# KiCad board mega_led_mapper_shield.kicad_pcb
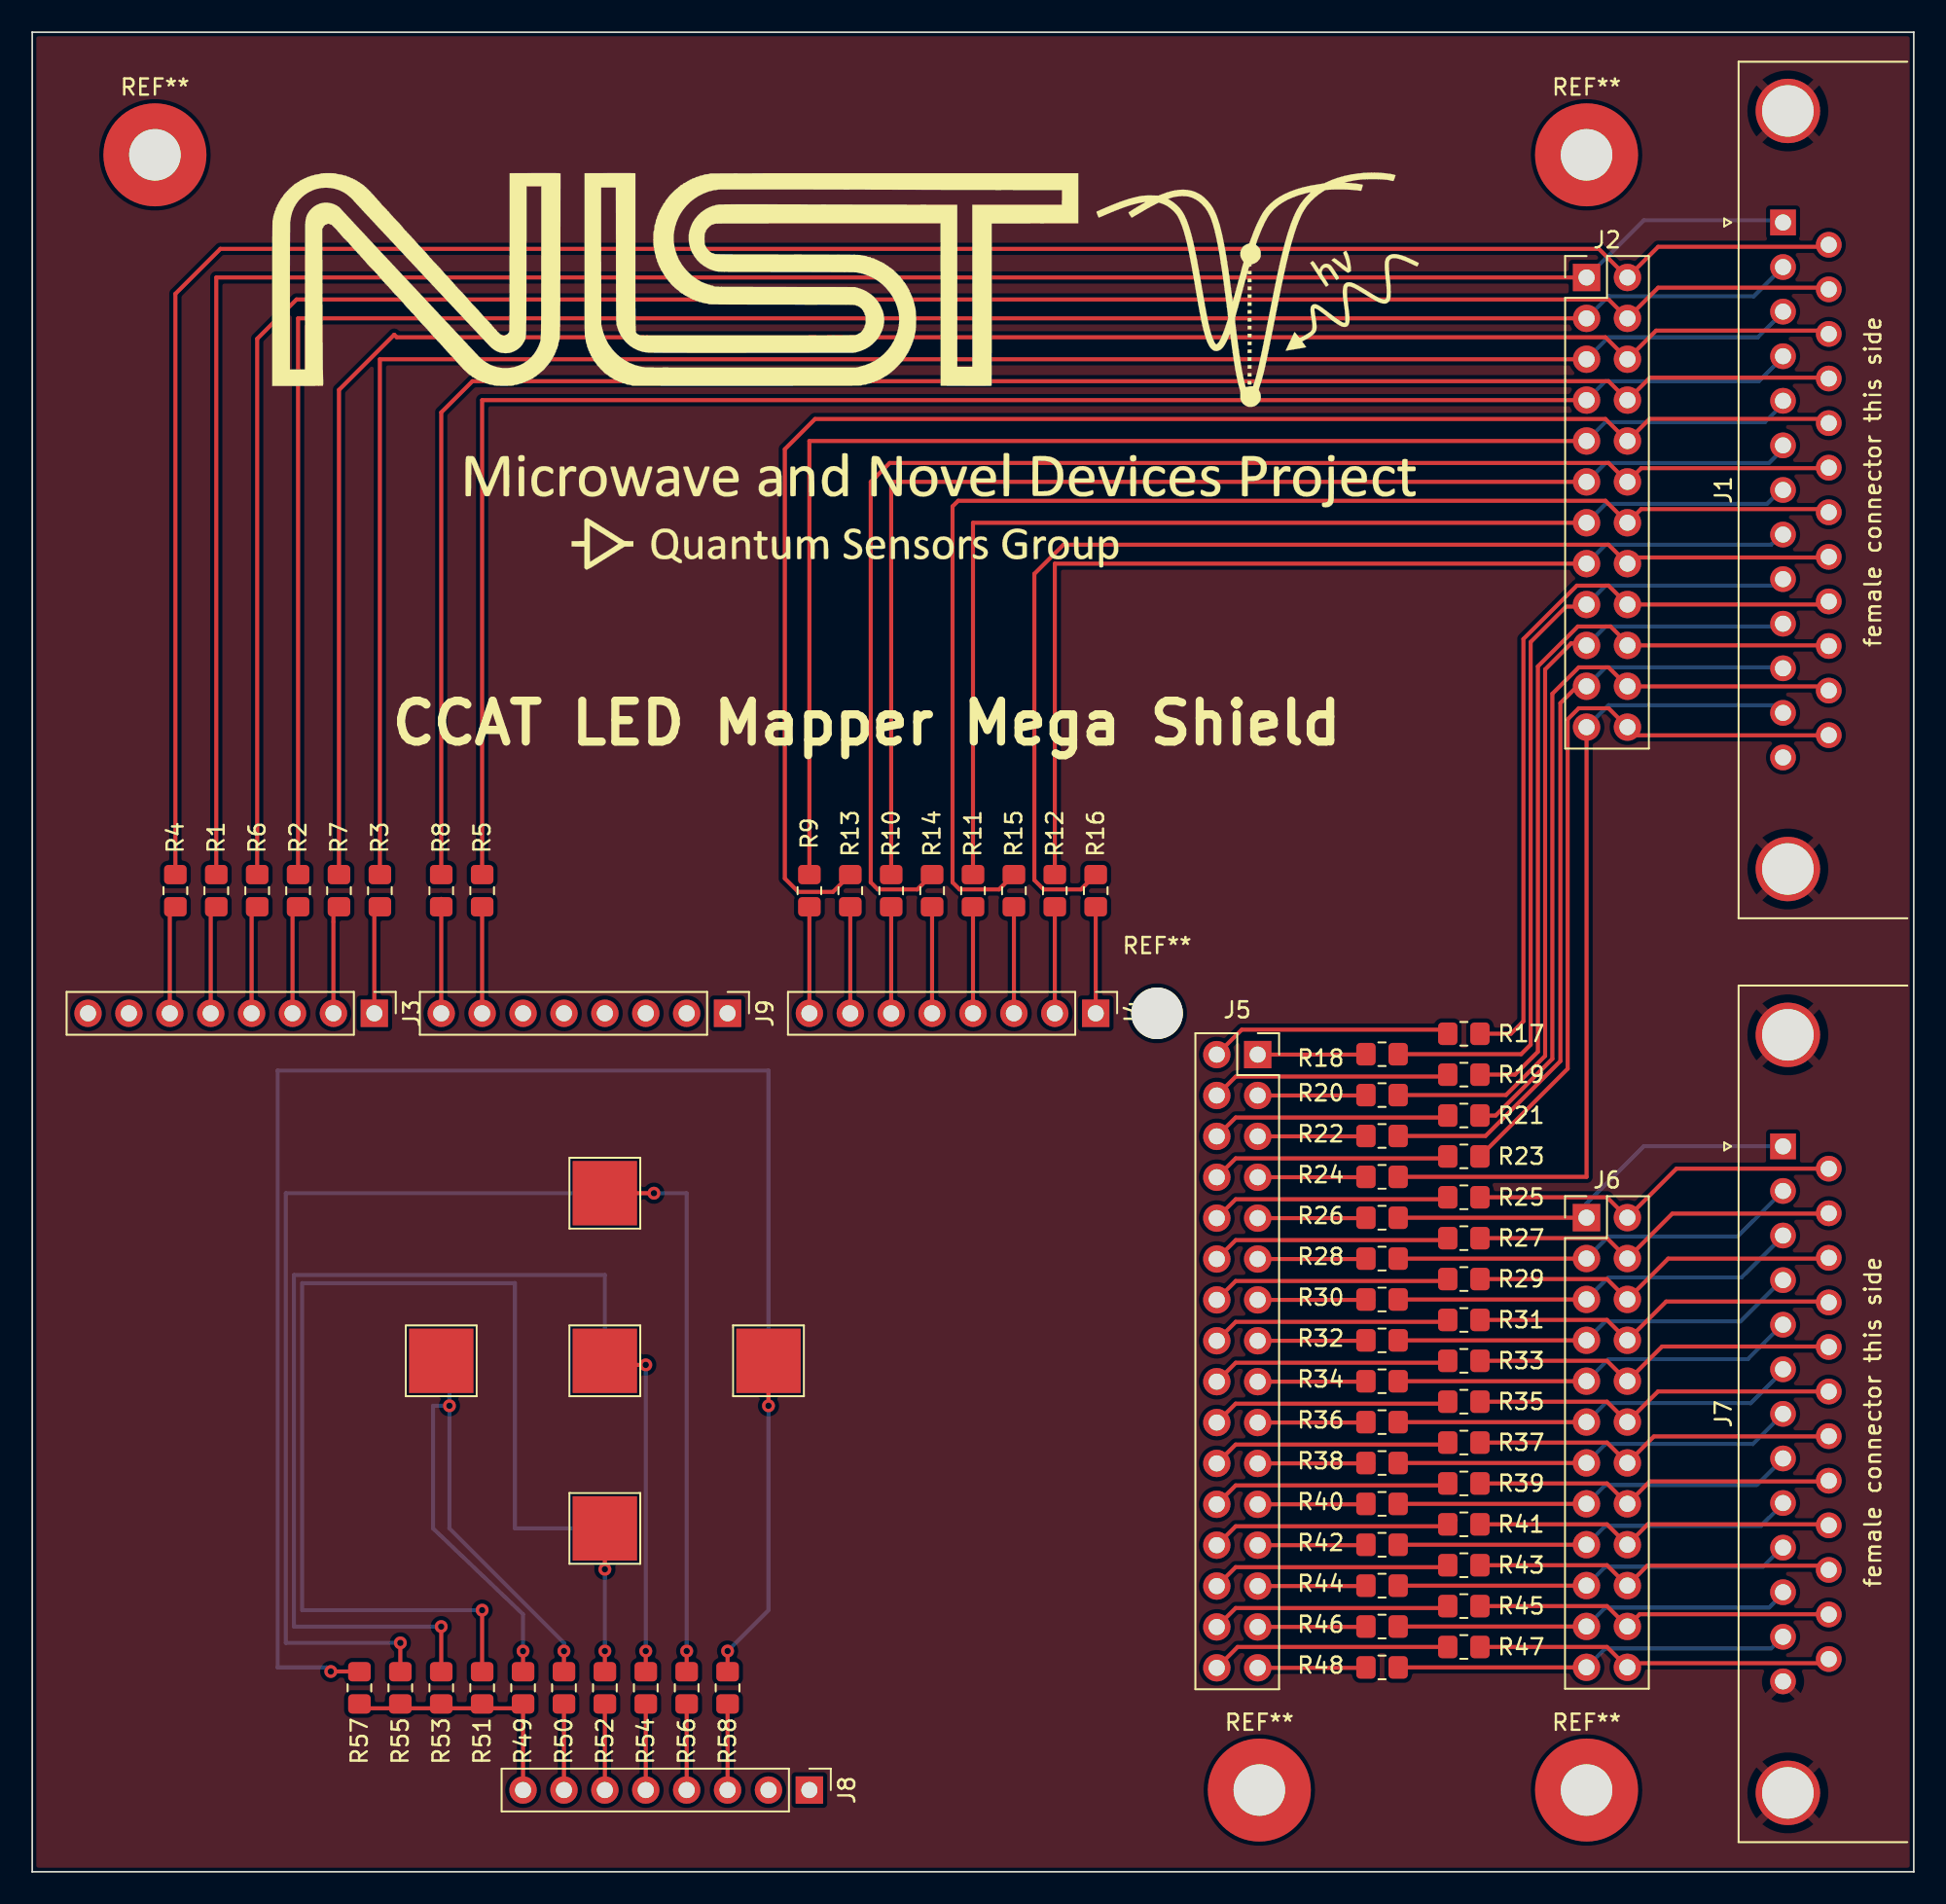
[diagram p0: board, top side]
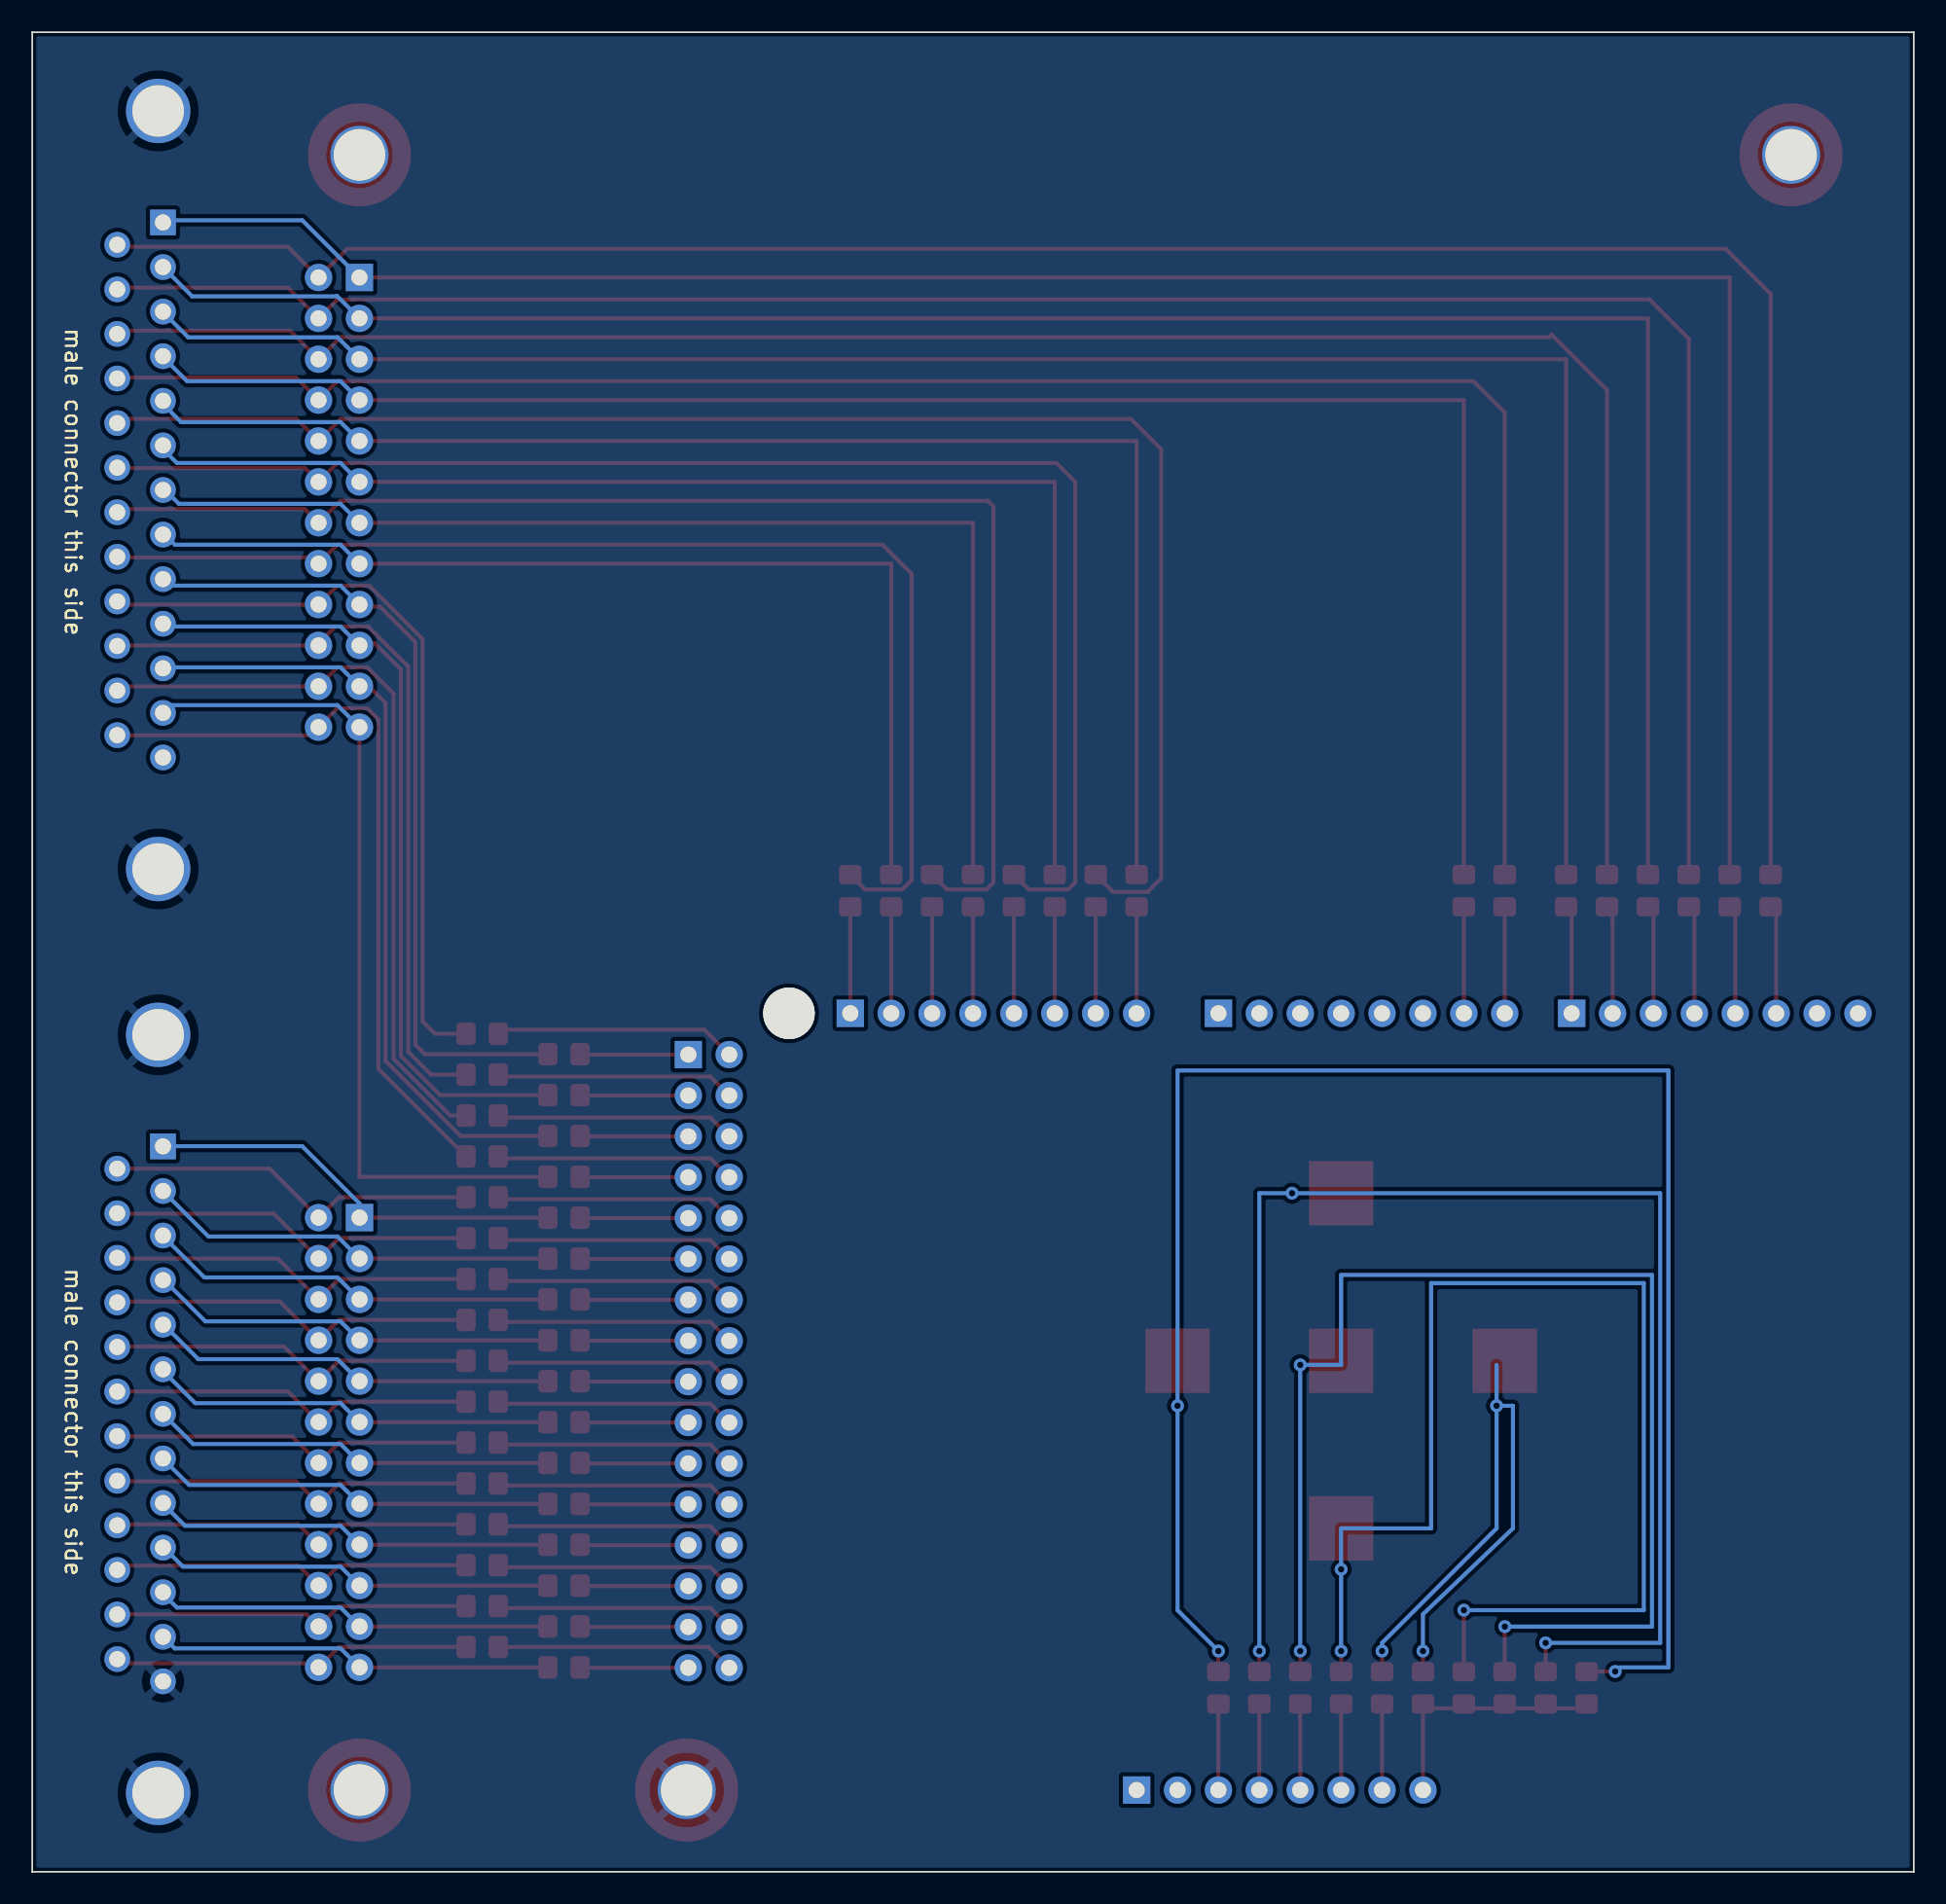
[diagram p1: board, bottom side, seen from below]

Outline 116.84 x 114.3 mm; copper layers: Top, Bottom. Coordinates in mm from the lower left corner of the outline.
Outline path: 0,114.3 116.84,114.3 116.84,0 0,0 0,114.3
Stack: Top 0.035mm / dielectric 1.51mm FR4 er 4.5 / Bottom 0.035mm

## Placement (name value [footprint] x y rotation side)
G***  LOGO  [logo_v3_76]  49.78 94.23 0 top
J1  DB25_Female_MountingHoles  [DSUB-25_Female_Horizontal_P2.77x2.84mm_EdgePinOffset4.94mm_Housed_MountingHolesOffset7.48mm]  108.72 102.48 90 top
J2  Conn_02x12_Odd_Even  [PinHeader_2x12_P2.54mm_Vertical]  96.52 99.06 0 top
J3  Conn_01x08_Female  [PinHeader_1x08_P2.54mm_Vertical]  21.24 53.34 270 top
J4  Conn_01x08_Female  [PinHeader_1x08_P2.54mm_Vertical]  66.04 53.34 270 top
J5  Conn_02x16_Odd_Even  [PinSocket_2x16_P2.54mm_Vertical]  76.1 50.77 0 top
J6  Conn_02x12_Odd_Even  [PinHeader_2x12_P2.54mm_Vertical]  96.52 40.64 0 top
J7  DB25_Female_MountingHoles  [DSUB-25_Female_Horizontal_P2.77x2.84mm_EdgePinOffset4.94mm_Housed_MountingHolesOffset7.48mm]  108.72 45.07 90 top
J8  Conn_01x08_Female  [PinHeader_1x08_P2.54mm_Vertical]  48.26 5.08 270 top
J9  Conn_01x08_Female  [PinHeader_1x08_P2.54mm_Vertical]  43.18 53.34 270 top
R1  R_Small_US  [R_0805_2012Metric_Pad1.20x1.40mm_HandSolder]  11.43 60.96 90 top
R2  R_Small_US  [R_0805_2012Metric_Pad1.20x1.40mm_HandSolder]  16.51 60.96 90 top
R3  R_Small_US  [R_0805_2012Metric_Pad1.20x1.40mm_HandSolder]  21.59 60.96 90 top
R4  R_Small_US  [R_0805_2012Metric_Pad1.20x1.40mm_HandSolder]  8.89 60.96 90 top
R5  R_Small_US  [R_0805_2012Metric_Pad1.20x1.40mm_HandSolder]  27.94 60.96 90 top
R6  R_Small_US  [R_0805_2012Metric_Pad1.20x1.40mm_HandSolder]  13.97 60.96 90 top
R7  R_Small_US  [R_0805_2012Metric_Pad1.20x1.40mm_HandSolder]  19.05 60.96 90 top
R8  R_Small_US  [R_0805_2012Metric_Pad1.20x1.40mm_HandSolder]  25.4 60.96 90 top
R9  R_Small_US  [R_0805_2012Metric_Pad1.20x1.40mm_HandSolder]  48.26 60.96 90 top
R10  R_Small_US  [R_0805_2012Metric_Pad1.20x1.40mm_HandSolder]  53.34 60.96 90 top
R11  R_Small_US  [R_0805_2012Metric_Pad1.20x1.40mm_HandSolder]  58.42 60.96 90 top
R12  R_Small_US  [R_0805_2012Metric_Pad1.20x1.40mm_HandSolder]  63.5 60.96 90 top
R13  R_Small_US  [R_0805_2012Metric_Pad1.20x1.40mm_HandSolder]  50.8 60.96 90 top
R14  R_Small_US  [R_0805_2012Metric_Pad1.20x1.40mm_HandSolder]  55.88 60.96 90 top
R15  R_Small_US  [R_0805_2012Metric_Pad1.20x1.40mm_HandSolder]  60.96 60.96 90 top
R16  R_Small_US  [R_0805_2012Metric_Pad1.20x1.40mm_HandSolder]  66.04 60.96 90 top
R17  R_Small_US  [R_0805_2012Metric_Pad1.20x1.40mm_HandSolder]  88.9 52.07 0 top
R18  R_Small_US  [R_0805_2012Metric_Pad1.20x1.40mm_HandSolder]  83.82 50.8 0 top
R19  R_Small_US  [R_0805_2012Metric_Pad1.20x1.40mm_HandSolder]  88.9 49.53 0 top
R20  R_Small_US  [R_0805_2012Metric_Pad1.20x1.40mm_HandSolder]  83.82 48.26 0 top
R21  R_Small_US  [R_0805_2012Metric_Pad1.20x1.40mm_HandSolder]  88.9 46.99 0 top
R22  R_Small_US  [R_0805_2012Metric_Pad1.20x1.40mm_HandSolder]  83.82 45.72 0 top
R23  R_Small_US  [R_0805_2012Metric_Pad1.20x1.40mm_HandSolder]  88.9 44.45 0 top
R24  R_Small_US  [R_0805_2012Metric_Pad1.20x1.40mm_HandSolder]  83.82 43.18 0 top
R25  R_Small_US  [R_0805_2012Metric_Pad1.20x1.40mm_HandSolder]  88.9 41.91 0 top
R26  R_Small_US  [R_0805_2012Metric_Pad1.20x1.40mm_HandSolder]  83.82 40.64 0 top
R27  R_Small_US  [R_0805_2012Metric_Pad1.20x1.40mm_HandSolder]  88.9 39.37 0 top
R28  R_Small_US  [R_0805_2012Metric_Pad1.20x1.40mm_HandSolder]  83.82 38.1 0 top
R29  R_Small_US  [R_0805_2012Metric_Pad1.20x1.40mm_HandSolder]  88.9 36.83 0 top
R30  R_Small_US  [R_0805_2012Metric_Pad1.20x1.40mm_HandSolder]  83.82 35.56 0 top
R31  R_Small_US  [R_0805_2012Metric_Pad1.20x1.40mm_HandSolder]  88.9 34.29 0 top
R32  R_Small_US  [R_0805_2012Metric_Pad1.20x1.40mm_HandSolder]  83.82 33.02 0 top
R33  R_Small_US  [R_0805_2012Metric_Pad1.20x1.40mm_HandSolder]  88.9 31.75 0 top
R34  R_Small_US  [R_0805_2012Metric_Pad1.20x1.40mm_HandSolder]  83.82 30.48 0 top
R35  R_Small_US  [R_0805_2012Metric_Pad1.20x1.40mm_HandSolder]  88.9 29.21 0 top
R36  R_Small_US  [R_0805_2012Metric_Pad1.20x1.40mm_HandSolder]  83.82 27.94 0 top
R37  R_Small_US  [R_0805_2012Metric_Pad1.20x1.40mm_HandSolder]  88.9 26.67 0 top
R38  R_Small_US  [R_0805_2012Metric_Pad1.20x1.40mm_HandSolder]  83.82 25.4 0 top
R39  R_Small_US  [R_0805_2012Metric_Pad1.20x1.40mm_HandSolder]  88.9 24.13 0 top
R40  R_Small_US  [R_0805_2012Metric_Pad1.20x1.40mm_HandSolder]  83.82 22.86 0 top
R41  R_Small_US  [R_0805_2012Metric_Pad1.20x1.40mm_HandSolder]  88.9 21.59 0 top
R42  R_Small_US  [R_0805_2012Metric_Pad1.20x1.40mm_HandSolder]  83.82 20.32 0 top
R43  R_Small_US  [R_0805_2012Metric_Pad1.20x1.40mm_HandSolder]  88.9 19.05 0 top
R44  R_Small_US  [R_0805_2012Metric_Pad1.20x1.40mm_HandSolder]  83.82 17.78 0 top
R45  R_Small_US  [R_0805_2012Metric_Pad1.20x1.40mm_HandSolder]  88.9 16.51 0 top
R46  R_Small_US  [R_0805_2012Metric_Pad1.20x1.40mm_HandSolder]  83.82 15.24 0 top
R47  R_Small_US  [R_0805_2012Metric_Pad1.20x1.40mm_HandSolder]  88.9 13.97 0 top
R48  R_Small_US  [R_0805_2012Metric_Pad1.20x1.40mm_HandSolder]  83.82 12.7 0 top
R49  R_Small_US  [R_0805_2012Metric_Pad1.20x1.40mm_HandSolder]  30.48 11.43 90 top
R50  R_Small_US  [R_0805_2012Metric_Pad1.20x1.40mm_HandSolder]  33.02 11.43 90 top
R51  R_Small_US  [R_0805_2012Metric_Pad1.20x1.40mm_HandSolder]  27.94 11.43 90 top
R52  R_Small_US  [R_0805_2012Metric_Pad1.20x1.40mm_HandSolder]  35.56 11.43 90 top
R53  R_Small_US  [R_0805_2012Metric_Pad1.20x1.40mm_HandSolder]  25.4 11.43 90 top
R54  R_Small_US  [R_0805_2012Metric_Pad1.20x1.40mm_HandSolder]  38.1 11.43 90 top
R55  R_Small_US  [R_0805_2012Metric_Pad1.20x1.40mm_HandSolder]  22.86 11.43 90 top
R56  R_Small_US  [R_0805_2012Metric_Pad1.20x1.40mm_HandSolder]  40.64 11.43 90 top
R57  R_Small_US  [R_0805_2012Metric_Pad1.20x1.40mm_HandSolder]  20.32 11.43 90 top
R58  R_Small_US  [R_0805_2012Metric_Pad1.20x1.40mm_HandSolder]  43.18 11.43 90 top
REF**  -  [MountingHole_3.2mm_M3_Pad_TopOnly]  7.62 106.68 0 top
REF**#2  -  [MountingHole_3.2mm_M3]  69.85 53.34 0 top
REF**#3  -  [MountingHole_3.2mm_M3_Pad_TopOnly]  96.52 106.68 0 top
REF**#4  -  [MountingHole_3.2mm_M3_Pad_TopOnly]  76.2 5.08 0 top
REF**#5  -  [MountingHole_3.2mm_M3_Pad_TopOnly]  96.52 5.08 0 top
TP1  TestPoint  [TestPoint_Pad_4.0x4.0mm]  25.4 31.75 0 top
TP2  TestPoint  [TestPoint_Pad_4.0x4.0mm]  35.56 21.34 0 top
TP3  TestPoint  [TestPoint_Pad_4.0x4.0mm]  35.56 31.75 0 top
TP4  TestPoint  [TestPoint_Pad_4.0x4.0mm]  35.56 42.16 0 top
TP5  TestPoint  [TestPoint_Pad_4.0x4.0mm]  45.72 31.75 0 top

## Footprints (pads in the part's own frame, mm; a bottom-side part is the same pattern mirrored in y, then rotated)
DSUB-25_Female_Horizontal_P2.77x2.84mm_EdgePinOffset4.94mm_Housed_MountingHolesOffset7.48mm
  round 4 hole 3.2: 0(-40.17,-0.3) 0(6.93,-0.3)
  rect 1.6x1.6 hole 1: 1(0,0)
  round 1.6 hole 1: 2(-2.77,0) 3(-5.54,0) 4(-8.31,0) 5(-11.08,0) 6(-13.85,0) 7(-16.62,0) 8(-19.39,0) 9(-22.16,0) 10(-24.93,0) 11(-27.7,0) 12(-30.47,0) 13(-33.24,0) 14(-1.385,-2.84) 15(-4.155,-2.84) 16(-6.925,-2.84) 17(-9.695,-2.84) 18(-12.465,-2.84) 19(-15.235,-2.84) 20(-18.005,-2.84) 21(-20.775,-2.84) 22(-23.545,-2.84) 23(-26.315,-2.84) 24(-29.085,-2.84) 25(-31.855,-2.84)
MountingHole_3.2mm_M3
  round 3.2 hole 3.2 unplated: (0,0)
MountingHole_3.2mm_M3_Pad_TopOnly
  round 3.6 hole 3.2: 1(0,0)
  round 6.4 smd: 1(0,0)
PinHeader_1x08_P2.54mm_Vertical
  rect 1.7x1.7 hole 1: 1(0,0)
  oval 1.7x1.7 hole 1: 2(0,-2.54) 3(0,-5.08) 4(0,-7.62) 5(0,-10.16) 6(0,-12.7) 7(0,-15.24) 8(0,-17.78)
PinHeader_2x12_P2.54mm_Vertical
  rect 1.7x1.7 hole 1: 1(0,0)
  oval 1.7x1.7 hole 1: 2(2.54,0) 3(0,-2.54) 4(2.54,-2.54) 5(0,-5.08) 6(2.54,-5.08) 7(0,-7.62) 8(2.54,-7.62) 9(0,-10.16) 10(2.54,-10.16) 11(0,-12.7) 12(2.54,-12.7) 13(0,-15.24) 14(2.54,-15.24) 15(0,-17.78) 16(2.54,-17.78) 17(0,-20.32) 18(2.54,-20.32) 19(0,-22.86) 20(2.54,-22.86) 21(0,-25.4) 22(2.54,-25.4) 23(0,-27.94) 24(2.54,-27.94)
PinSocket_2x16_P2.54mm_Vertical
  rect 1.7x1.7 hole 1: 1(0,0)
  oval 1.7x1.7 hole 1: 2(-2.54,0) 3(0,-2.54) 4(-2.54,-2.54) 5(0,-5.08) 6(-2.54,-5.08) 7(0,-7.62) 8(-2.54,-7.62) 9(0,-10.16) 10(-2.54,-10.16) 11(0,-12.7) 12(-2.54,-12.7) 13(0,-15.24) 14(-2.54,-15.24) 15(0,-17.78) 16(-2.54,-17.78) 17(0,-20.32) 18(-2.54,-20.32) 19(0,-22.86) 20(-2.54,-22.86) 21(0,-25.4) 22(-2.54,-25.4) 23(0,-27.94) 24(-2.54,-27.94) 25(0,-30.48) 26(-2.54,-30.48) 27(0,-33.02) 28(-2.54,-33.02) 29(0,-35.56) 30(-2.54,-35.56) 31(0,-38.1) 32(-2.54,-38.1)
R_0805_2012Metric_Pad1.20x1.40mm_HandSolder
  rrect 1.2x1.4 smd: 1(-1,0) 2(1,0)
TestPoint_Pad_4.0x4.0mm
  rect 4x4 smd: 1(0,0)

## Nets
/shield: J1.0 J7.0 J7.13 REF**#4.1
Net-(J1-Pad1): J1.1 J2.1 R1.2
Net-(J1-Pad2): J1.2 J2.3 R2.2
Net-(J1-Pad3): J1.3 J2.5 R3.2
Net-(J1-Pad4): J1.4 J2.7 R5.2
Net-(J1-Pad5): J1.5 J2.9 R9.2
Net-(J1-Pad6): J1.6 J2.11 R10.2
Net-(J1-Pad7): J1.7 J2.13 R11.2
Net-(J1-Pad8): J1.8 J2.15 R12.2
Net-(J1-Pad9): J1.9 J2.17 R18.2
Net-(J1-Pad10): J1.10 J2.19 R20.2
Net-(J1-Pad11): J1.11 J2.21 R22.2
Net-(J1-Pad12): J1.12 J2.23 R24.2
Net-(J1-Pad14): J1.14 J2.2 R4.2
Net-(J1-Pad15): J1.15 J2.4 R6.2
Net-(J1-Pad16): J1.16 J2.6 R7.2
Net-(J1-Pad17): J1.17 J2.8 R8.2
Net-(J1-Pad18): J1.18 J2.10 R13.2
Net-(J1-Pad19): J1.19 J2.12 R14.2
Net-(J1-Pad20): J1.20 J2.14 R15.2
Net-(J1-Pad21): J1.21 J2.16 R16.2
Net-(J1-Pad22): J1.22 J2.18 R17.2
Net-(J1-Pad23): J1.23 J2.20 R19.2
Net-(J1-Pad24): J1.24 J2.22 R21.2
Net-(J1-Pad25): J1.25 J2.24 R23.2
Net-(J3-Pad2): J3.2 R7.1
Net-(J3-Pad3): J3.3 R2.1
Net-(J3-Pad4): J3.4 R6.1
Net-(J3-Pad5): J3.5 R1.1
Net-(J3-Pad6): J3.6 R4.1
Net-(J4-Pad1): J4.1 R16.1
Net-(J4-Pad2): J4.2 R12.1
Net-(J4-Pad3): J4.3 R15.1
Net-(J4-Pad4): J4.4 R11.1
Net-(J4-Pad5): J4.5 R14.1
Net-(J4-Pad6): J4.6 R10.1
Net-(J4-Pad7): J4.7 R13.1
Net-(J4-Pad8): J4.8 R9.1
Net-(J5-Pad1): J5.1 R18.1
Net-(J5-Pad2): J5.2 R17.1
Net-(J5-Pad3): J5.3 R20.1
Net-(J5-Pad4): J5.4 R19.1
Net-(J5-Pad5): J5.5 R22.1
Net-(J5-Pad6): J5.6 R21.1
Net-(J5-Pad7): J5.7 R24.1
Net-(J5-Pad8): J5.8 R23.1
Net-(J5-Pad9): J5.9 R26.1
Net-(J5-Pad10): J5.10 R25.1
Net-(J5-Pad11): J5.11 R28.1
Net-(J5-Pad12): J5.12 R27.1
Net-(J5-Pad13): J5.13 R30.1
Net-(J5-Pad14): J5.14 R29.1
Net-(J5-Pad15): J5.15 R32.1
Net-(J5-Pad16): J5.16 R31.1
Net-(J5-Pad17): J5.17 R34.1
Net-(J5-Pad18): J5.18 R33.1
Net-(J5-Pad19): J5.19 R36.1
Net-(J5-Pad20): J5.20 R35.1
Net-(J5-Pad21): J5.21 R38.1
Net-(J5-Pad22): J5.22 R37.1
Net-(J5-Pad23): J5.23 R40.1
Net-(J5-Pad24): J5.24 R39.1
Net-(J5-Pad25): J5.25 R42.1
Net-(J5-Pad26): J5.26 R41.1
Net-(J5-Pad27): J5.27 R44.1
Net-(J5-Pad28): J5.28 R43.1
Net-(J5-Pad29): J5.29 R46.1
Net-(J5-Pad30): J5.30 R45.1
Net-(J5-Pad31): J5.31 R48.1
Net-(J5-Pad32): J5.32 R47.1
Net-(J6-Pad1): J6.1 J7.1 R26.2
Net-(J6-Pad2): J6.2 J7.14 R25.2
Net-(J6-Pad3): J6.3 J7.2 R28.2
Net-(J6-Pad4): J6.4 J7.15 R27.2
Net-(J6-Pad5): J6.5 J7.3 R30.2
Net-(J6-Pad6): J6.6 J7.16 R29.2
Net-(J6-Pad7): J6.7 J7.4 R32.2
Net-(J6-Pad8): J6.8 J7.17 R31.2
Net-(J6-Pad9): J6.9 J7.5 R34.2
Net-(J6-Pad10): J6.10 J7.18 R33.2
Net-(J6-Pad11): J6.11 J7.6 R36.2
Net-(J6-Pad12): J6.12 J7.19 R35.2
Net-(J6-Pad13): J6.13 J7.7 R38.2
Net-(J6-Pad14): J6.14 J7.20 R37.2
Net-(J6-Pad15): J6.15 J7.8 R40.2
Net-(J6-Pad16): J6.16 J7.21 R39.2
Net-(J6-Pad17): J6.17 J7.9 R42.2
Net-(J6-Pad18): J6.18 J7.22 R41.2
Net-(J6-Pad19): J6.19 J7.10 R44.2
Net-(J6-Pad20): J6.20 J7.23 R43.2
Net-(J6-Pad21): J6.21 J7.11 R46.2
Net-(J6-Pad22): J6.22 J7.24 R45.2
Net-(J6-Pad23): J6.23 J7.12 R48.2
Net-(J6-Pad24): J6.24 J7.25 R47.2
Net-(J8-Pad3): J8.3 R58.1
Net-(J8-Pad4): J8.4 R56.1
Net-(J8-Pad5): J8.5 R54.1
Net-(J8-Pad6): J8.6 R52.1
Net-(J8-Pad7): J8.7 R50.1
Net-(J8-Pad8): J8.8 R49.1 R51.1 R53.1 R55.1 R57.1
Net-(J9-Pad7): J9.7 R5.1
Net-(J9-Pad8): J9.8 R8.1
Net-(R3-Pad1): J3.1 R3.1
Net-(R49-Pad2): R49.2 R50.2 TP1.1
Net-(R51-Pad2): R51.2 R52.2 TP2.1
Net-(R53-Pad2): R53.2 R54.2 TP3.1
Net-(R55-Pad2): R55.2 R56.2 TP4.1
Net-(R57-Pad2): R57.2 R58.2 TP5.1

Pads without a net: J1 13; J3 7 8; J8 1 2; J9 1 2 3 4 5 6; REF** 1; REF**#3 1; REF**#5 1

## Via types
v1: diameter 0.8, hole 0.4, Top to Bottom, 15 vias

## Routing (per net, layer and track width the routed paths; a pad name or vN(x,y) marks a point on that pad's centre or on a via; arc(x,y) is an arc through that point)
Net-(J1-Pad1): length 136.4
  Top w0.25: 96.77,99.06 11.43,99.06 R1.2
  Bottom w0.25: J2.1 100.08,102.62 108.97,102.62
Net-(J1-Pad2): length 128.1
  Top w0.25: J2.3 16.51,96.52 R2.2
  Bottom w0.25: 108.71,99.69 106.9,97.89 97.95,97.89 97.92,97.92 J2.3
Net-(J1-Pad3): length 120.4
  Top w0.25: J2.5 21.59,93.98 R3.2
  Bottom w0.25: 108.71,96.9 107.16,95.35 97.89,95.35 J2.5
Net-(J1-Pad4): length 111.4
  Top w0.25: R5.2 27.94,91.44 J2.7
  Bottom w0.25: J2.7 97.69,92.61 107.22,92.61 108.71,94.11
Net-(J1-Pad5): length 88.3
  Top w0.25: J2.9 48.26,88.9 R9.2
  Bottom w0.25: 108.71,91.19 107.6,90.07 97.69,90.07 J2.9
Net-(J1-Pad6): length 81
  Top w0.25: R10.2 53.34,86.36 J2.11
  Bottom w0.25: 108.97,88.65 107.85,87.53 97.69,87.53 J2.11
Net-(J1-Pad7): length 72.9
  Top w0.25: R11.2 58.42,83.82 J2.13
  Bottom w0.25: J2.13 97.69,84.99 107.73,84.99 108.58,85.85
Net-(J1-Pad8): length 65.3
  Top w0.25: R12.2 63.5,81.28 J2.15
  Bottom w0.25: J2.15 97.69,82.45 107.98,82.45 108.71,83.19
Net-(J1-Pad9): length 50.7
  Top w0.25: R18.2 92.46,50.8 93.05,51.39 93.05,76.41 95.25,78.61 96.52,78.61
  Bottom w0.25: 108.71,80.26 108.36,79.91 97.69,79.91 J2.17
Net-(J1-Pad10): length 50.1
  Top w0.25: 96.52,76.33 95.57,76.33 93.95,74.71 93.95,50.7 91.51,48.26 R20.2
  Bottom w0.25: J2.19 97.69,77.37 108.62,77.37 108.71,77.47
Net-(J1-Pad11): length 49.1
  Top w0.25: 96.65,73.66 95.94,73.66 94.9,72.62 94.9,50.37 90.24,45.72 R22.2
  Bottom w0.25: 108.58,74.55 108.3,74.83 97.69,74.83 J2.21
Net-(J1-Pad12): length 52.7
  Top w0.25: J2.23 96.52,43.18 R24.2
  Bottom w0.25: J2.23 97.89,72.49 108.36,72.49 108.84,72.01
Net-(J1-Pad14): length 141.5
  Top w0.25: R4.2 8.89,98.04 11.68,100.84 97.28,100.84 J2.2 100.97,100.97 111.63,100.97
Net-(J1-Pad15): length 133.4
  Top w0.25: R6.2 13.97,95.25 16.41,97.69 97.89,97.69 J2.4 100.97,98.42 111.76,98.42
Net-(J1-Pad16): length 125.6
  Top w0.25: 111.76,95.76 100.84,95.76 J2.6 97.69,95.35 22.64,95.35 22.48,95.5 19.05,92.08 R7.2
Net-(J1-Pad17): length 116.8
  Top w0.25: R8.2 25.4,90.68 27.34,92.61 97.89,92.61 J2.8 100.46,92.84 111.63,92.84
Net-(J1-Pad18): length 98.4
  Top w0.25: R13.2 49.72,60.88 47.57,60.88 46.74,61.72 46.74,88.39 48.61,90.27 97.69,90.27 J2.10 100.43,90.27 111.4,90.27 111.63,90.04
Net-(J1-Pad19): length 90.2
  Top w0.25: R14.2 54.96,61.04 52.51,61.04 52.07,61.48 52.07,86.36 53.24,87.53 97.89,87.53 J2.12 99.91,87.21 111.59,87.21 111.63,87.25
Net-(J1-Pad20): length 83.5
  Top w0.25: R15.2 60.04,61.04 57.59,61.04 57.15,61.48 57.15,84.84 57.5,85.19 97.69,85.19 J2.14 99.91,84.67 111.55,84.67 111.76,84.45
Net-(J1-Pad21): length 74.1
  Top w0.25: R16.2 65.12,61.04 62.81,61.04 62.23,61.62 62.23,80.65 64.04,82.45 97.89,82.45 J2.16 99.44,81.66 111.51,81.66
Net-(J1-Pad22): length 47.5
  Top w0.25: R17.2 91.82,52.07 92.6,52.85 92.6,76.6 95.92,79.91 97.89,79.91 J2.18 111.25,78.74 111.38,78.61
Net-(J1-Pad23): length 47.8
  Top w0.25: R19.2 92.08,49.53 93.5,50.95 93.5,74.89 95.98,77.37 98.01,77.37 99.19,76.2 ; J2.20 111.51,76.2
Net-(J1-Pad24): length 47.2
  Top w0.25: R21.2 90.88,46.99 94.4,50.51 94.4,73.2 96.03,74.83 97.89,74.83 J2.22 99.07,73.65 111.26,73.65 111.63,73.28
Net-(J1-Pad25): length 46.6
  Top w0.25: R23.2 95.35,49.9 95.35,71.61 96.03,72.29 97.89,72.29 J2.24 99.57,70.61 111.51,70.61
Net-(J3-Pad2): length 6.5
  Top w0.25: 18.7,59.85 J3.2
Net-(J3-Pad3): length 6.5
  Top w0.25: J3.3 16.16,59.85
Net-(J3-Pad4): length 6.5
  Top w0.25: J3.4 13.62,59.85
Net-(J3-Pad5): length 6.5
  Top w0.25: J3.5 11.08,59.85
Net-(J3-Pad6): length 6.5
  Top w0.25: J3.6 8.54,59.85
Net-(J4-Pad1): length 6.6
  Top w0.25: J4.1 66.04,59.94
Net-(J4-Pad2): length 6.6
  Top w0.25: J4.2 63.5,59.94
Net-(J4-Pad3): length 6.6
  Top w0.25: J4.3 60.96,59.94
Net-(J4-Pad4): length 6.6
  Top w0.25: J4.4 58.42,59.94
Net-(J4-Pad5): length 6.6
  Top w0.25: J4.5 55.88,59.94
Net-(J4-Pad6): length 6.6
  Top w0.25: J4.6 53.34,59.94
Net-(J4-Pad7): length 6.6
  Top w0.25: J4.7 50.8,59.94
Net-(J4-Pad8): length 6.6
  Top w0.25: J4.8 48.26,59.94
Net-(J5-Pad1): length 6.7
  Top w0.25: J5.1 82.78,50.77
Net-(J5-Pad2): length 15
  Top w0.25: 87.88,52.32 75.11,52.32 J5.2
Net-(J5-Pad3): length 6.7
  Top w0.25: J5.3 82.78,48.23
Net-(J5-Pad4): length 15
  Top w0.25: 87.88,49.78 87.51,49.41 74.73,49.41 J5.4
Net-(J5-Pad5): length 6.7
  Top w0.25: J5.5 82.78,45.69
Net-(J5-Pad6): length 14.9
  Top w0.25: J5.6 74.73,46.87 87.75,46.87 87.88,46.74
Net-(J5-Pad7): length 6.7
  Top w0.25: J5.7 82.78,43.15
Net-(J5-Pad8): length 15
  Top w0.25: 87.88,44.7 87.51,44.33 74.73,44.33 J5.8
Net-(J5-Pad9): length 6.7
  Top w0.25: J5.9 82.78,40.61
Net-(J5-Pad10): length 14.9
  Top w0.25: 87.88,41.66 87.75,41.79 74.73,41.79 J5.10
Net-(J5-Pad11): length 6.7
  Top w0.25: J5.11 82.78,38.07
Net-(J5-Pad12): length 15
  Top w0.25: J5.12 74.73,39.25 87.51,39.25 87.88,39.62
Net-(J5-Pad13): length 7.2
  Top w0.25: J5.13 83.29,35.53
Net-(J5-Pad14): length 14.9
  Top w0.25: J5.14 74.73,36.71 87.75,36.71 87.88,36.58
Net-(J5-Pad15): length 6.7
  Top w0.25: J5.15 82.78,32.99
Net-(J5-Pad16): length 15
  Top w0.25: 87.88,34.54 87.51,34.17 74.73,34.17 J5.16
Net-(J5-Pad17): length 6.7
  Top w0.25: J5.17 82.78,30.45
Net-(J5-Pad18): length 15
  Top w0.25: 87.88,32 87.51,31.63 74.73,31.63 J5.18
Net-(J5-Pad19): length 6.7
  Top w0.25: J5.19 82.78,27.91
Net-(J5-Pad20): length 14.9
  Top w0.25: 87.88,28.96 87.75,29.09 74.73,29.09 J5.20
Net-(J5-Pad21): length 7.2
  Top w0.25: J5.21 83.29,25.37
Net-(J5-Pad22): length 14.9
  Top w0.25: 87.88,26.42 87.75,26.55 74.73,26.55 J5.22
Net-(J5-Pad23): length 6.7
  Top w0.25: J5.23 82.78,22.83
Net-(J5-Pad24): length 15
  Top w0.25: J5.24 74.73,24.01 87.51,24.01 87.88,24.38
Net-(J5-Pad25): length 6.7
  Top w0.25: J5.25 82.78,20.29
Net-(J5-Pad26): length 15.5
  Top w0.25: 88.39,21.84 88.02,21.47 74.73,21.47 J5.26
Net-(J5-Pad27): length 6.5
  Top w0.25: 82.55,17.78 82.52,17.75 J5.27
Net-(J5-Pad28): length 15
  Top w0.25: 87.88,19.3 87.51,18.93 74.73,18.93 J5.28
Net-(J5-Pad29): length 6.4
  Top w0.25: J5.29 82.52,15.21
Net-(J5-Pad30): length 14.9
  Top w0.25: J5.30 74.73,16.39 87.75,16.39 87.88,16.26
Net-(J5-Pad31): length 6.5
  Top w0.25: 82.55,12.7 82.52,12.67 J5.31
Net-(J5-Pad32): length 14.6
  Top w0.25: J5.32 74.85,13.97 87.63,13.97
Net-(J6-Pad1): length 26.4
  Top w0.25: R26.2 96.52,40.64
  Bottom w0.25: 108.84,45.09 100.08,45.09 96.52,41.52 J6.1
Net-(J6-Pad2): length 23.4
  Top w0.25: R25.2 97.79,41.91 99.06,40.64 ; J6.2 102.1,43.69 111.51,43.69
Net-(J6-Pad3): length 25.6
  Top w0.25: R28.2 96.52,38.1
  Bottom w0.25: 108.71,42.29 105.89,39.47 97.88,39.47 J6.3
Net-(J6-Pad4): length 23.3
  Top w0.25: 99.06,38.1 97.79,39.37 R27.2 ; 111.51,40.89 101.84,40.89 J6.4
Net-(J6-Pad5): length 25.5
  Top w0.25: R30.2 96.52,35.56
  Bottom w0.25: 108.71,39.5 106.15,36.93 97.88,36.93 J6.5
Net-(J6-Pad6): length 23.2
  Top w0.25: J6.6 101.59,38.1 111.38,38.1 111.51,37.97 ; 99.06,35.56 97.79,36.83 R29.2
Net-(J6-Pad7): length 25.5
  Top w0.25: R32.2 96.52,33.02
  Bottom w0.25: 108.71,36.83 106.08,34.2 97.69,34.2 J6.7
Net-(J6-Pad8): length 23.3
  Top w0.25: J6.8 101.46,35.43 111.63,35.43 ; R31.2 97.79,34.29 99.06,33.02
Net-(J6-Pad9): length 25.3
  Top w0.25: R34.2 96.52,30.48
  Bottom w0.25: J6.9 97.88,31.85 106.53,31.85 108.58,33.91 108.71,33.91
Net-(J6-Pad10): length 23.3
  Top w0.25: 111.76,32.64 101.21,32.64 J6.10 ; 99.06,30.48 97.79,31.75 R33.2
Net-(J6-Pad11): length 25.4
  Top w0.25: R36.2 96.52,27.94
  Bottom w0.25: J6.11 97.69,29.12 106.72,29.12 108.84,31.24
Net-(J6-Pad12): length 23.1
  Top w0.25: 99.06,27.94 97.79,29.21 R35.2 ; J6.12 100.95,29.84 111.63,29.84
Net-(J6-Pad13): length 25.2
  Top w0.25: R38.2 96.52,25.4
  Bottom w0.25: 108.71,28.45 106.84,26.58 97.69,26.58 J6.13
Net-(J6-Pad14): length 22.9
  Top w0.25: 111.63,27.05 100.7,27.05 J6.14 ; R37.2 97.79,26.67 99.06,25.4
Net-(J6-Pad15): length 25.1
  Top w0.25: R40.2 96.52,22.86
  Bottom w0.25: J6.15 97.69,24.04 107.1,24.04 108.71,25.65
Net-(J6-Pad16): length 22.8
  Top w0.25: J6.16 100.45,24.26 111.63,24.26 ; 99.06,22.86 97.79,24.13 R39.2
Net-(J6-Pad17): length 24.9
  Top w0.25: R42.2 96.52,20.32
  Bottom w0.25: 108.71,22.86 107.35,21.5 97.69,21.5 J6.17
Net-(J6-Pad18): length 22.8
  Top w0.25: J6.18 100.32,21.59 111.63,21.59 ; R41.2 97.79,21.59 99.06,20.32
Net-(J6-Pad19): length 24.7
  Top w0.25: R44.2 96.52,17.78
  Bottom w0.25: J6.19 97.69,18.96 107.48,18.96 108.58,20.07
Net-(J6-Pad20): length 22.7
  Top w0.25: R43.2 97.79,19.05 99.06,17.78 ; J6.20 100.29,19.02 111.28,19.02 111.51,18.8
Net-(J6-Pad21): length 24.7
  Top w0.25: R46.2 96.52,15.24
  Bottom w0.25: 108.71,17.27 107.86,16.42 97.69,16.42 J6.21
Net-(J6-Pad22): length 22.5
  Top w0.25: 99.06,15.24 97.79,16.51 R45.2 ; J6.22 99.81,16 111.51,16
Net-(J6-Pad23): length 24.7
  Top w0.25: R48.2 96.52,12.7
  Bottom w0.25: 108.71,14.61 107.99,13.88 97.69,13.88 J6.23
Net-(J6-Pad24): length 22.3
  Top w0.25: 111.51,13.21 111.26,12.96 99.31,12.96 J6.24 ; 99.06,12.7 97.79,13.97 R47.2
Net-(J8-Pad3): length 5.1
  Top w0.25: J8.3 43.18,10.16
Net-(J8-Pad4): length 5.6
  Top w0.25: J8.4 40.64,10.67
Net-(J8-Pad5): length 5.1
  Top w0.25: J8.5 38.1,10.16
Net-(J8-Pad6): length 5.1
  Top w0.25: J8.6 35.56,10.16
Net-(J8-Pad7): length 5.6
  Top w0.25: J8.7 33.02,10.67
Net-(J8-Pad8): length 15.4
  Top w0.25: J8.8 30.48,10.16 ; 20.32,10.16 30.21,10.16 R49.1
Net-(J9-Pad7): length 6.6
  Top w0.25: J9.7 27.94,59.94
Net-(J9-Pad8): length 7.1
  Top w0.25: J9.8 25.4,60.45
Net-(R3-Pad1): length 6.5
  Top w0.25: J3.1 21.24,59.85
Net-(R49-Pad2): length 42.5
  Top w0.25: R50.2 v1(33.02,13.72) ; 25.91,31.5 25.4,31.5 ; R49.2 v1(30.48,13.72)
  Bottom w0.25: v1(25.91,28.96) 24.89,28.96 24.89,21.34 30.48,16 v1(30.48,13.72) ; v1(25.91,28.96) 25.91,31.5 ; v1(25.91,28.96) 25.91,21.34 33.02,14.22 v1(33.02,13.72)
Net-(R51-Pad2): length 80.8
  Top w0.25: R51.2 v1(27.94,16.26) ; v1(35.56,18.8) TP2.1 ; R52.2 v1(35.56,13.72)
  Bottom w0.25: v1(27.94,16.26) 16.76,16.26 16.76,36.58 29.97,36.58 29.97,21.34 TP2.1 v1(35.56,18.8) v1(35.56,13.72)
Net-(R53-Pad2): length 82.6
  Top w0.25: v1(38.1,31.5) 35.81,31.5 ; R54.2 v1(38.1,13.72) ; R53.2 25.4,15.24 v1(25.4,15.24)
  Bottom w0.25: v1(38.1,13.72) v1(38.1,31.5) 35.56,31.5 35.56,37.08 16.26,37.08 16.26,15.24 16.26,15.24 v1(25.4,15.24)
Net-(R55-Pad2): length 94.5
  Top w0.25: v1(38.61,42.16) TP4.1 ; R56.2 v1(40.64,13.72) ; R55.2 v1(22.86,14.22)
  Bottom w0.25: v1(22.86,14.22) 15.75,14.22 15.75,42.16 v1(38.61,42.16) 40.64,42.16 v1(40.64,13.72)
Net-(R57-Pad2): length 113.9
  Top w0.25: v1(45.72,28.96) TP5.1 ; R58.2 v1(43.18,13.72) ; v1(18.54,12.45) 20.32,12.45
  Bottom w0.25: v1(43.18,13.72) 45.72,16.26 v1(45.72,28.96) 45.72,49.78 15.24,49.78 15.24,12.7 18.29,12.7 v1(18.54,12.45)

## Copper pours and planes (outline as drawn; the poured copper is in the pictures)
/shield on Top, Bottom: 116.84,0 0,0 0,114.3 116.84,114.3

## Text on the board
B.Silkscreen: male connector this side
F.Silkscreen: female connector this side | CCAT LED Mapper Mega Shield
